# KiCad board oresat-acs-card.kicad_pcb (continued)
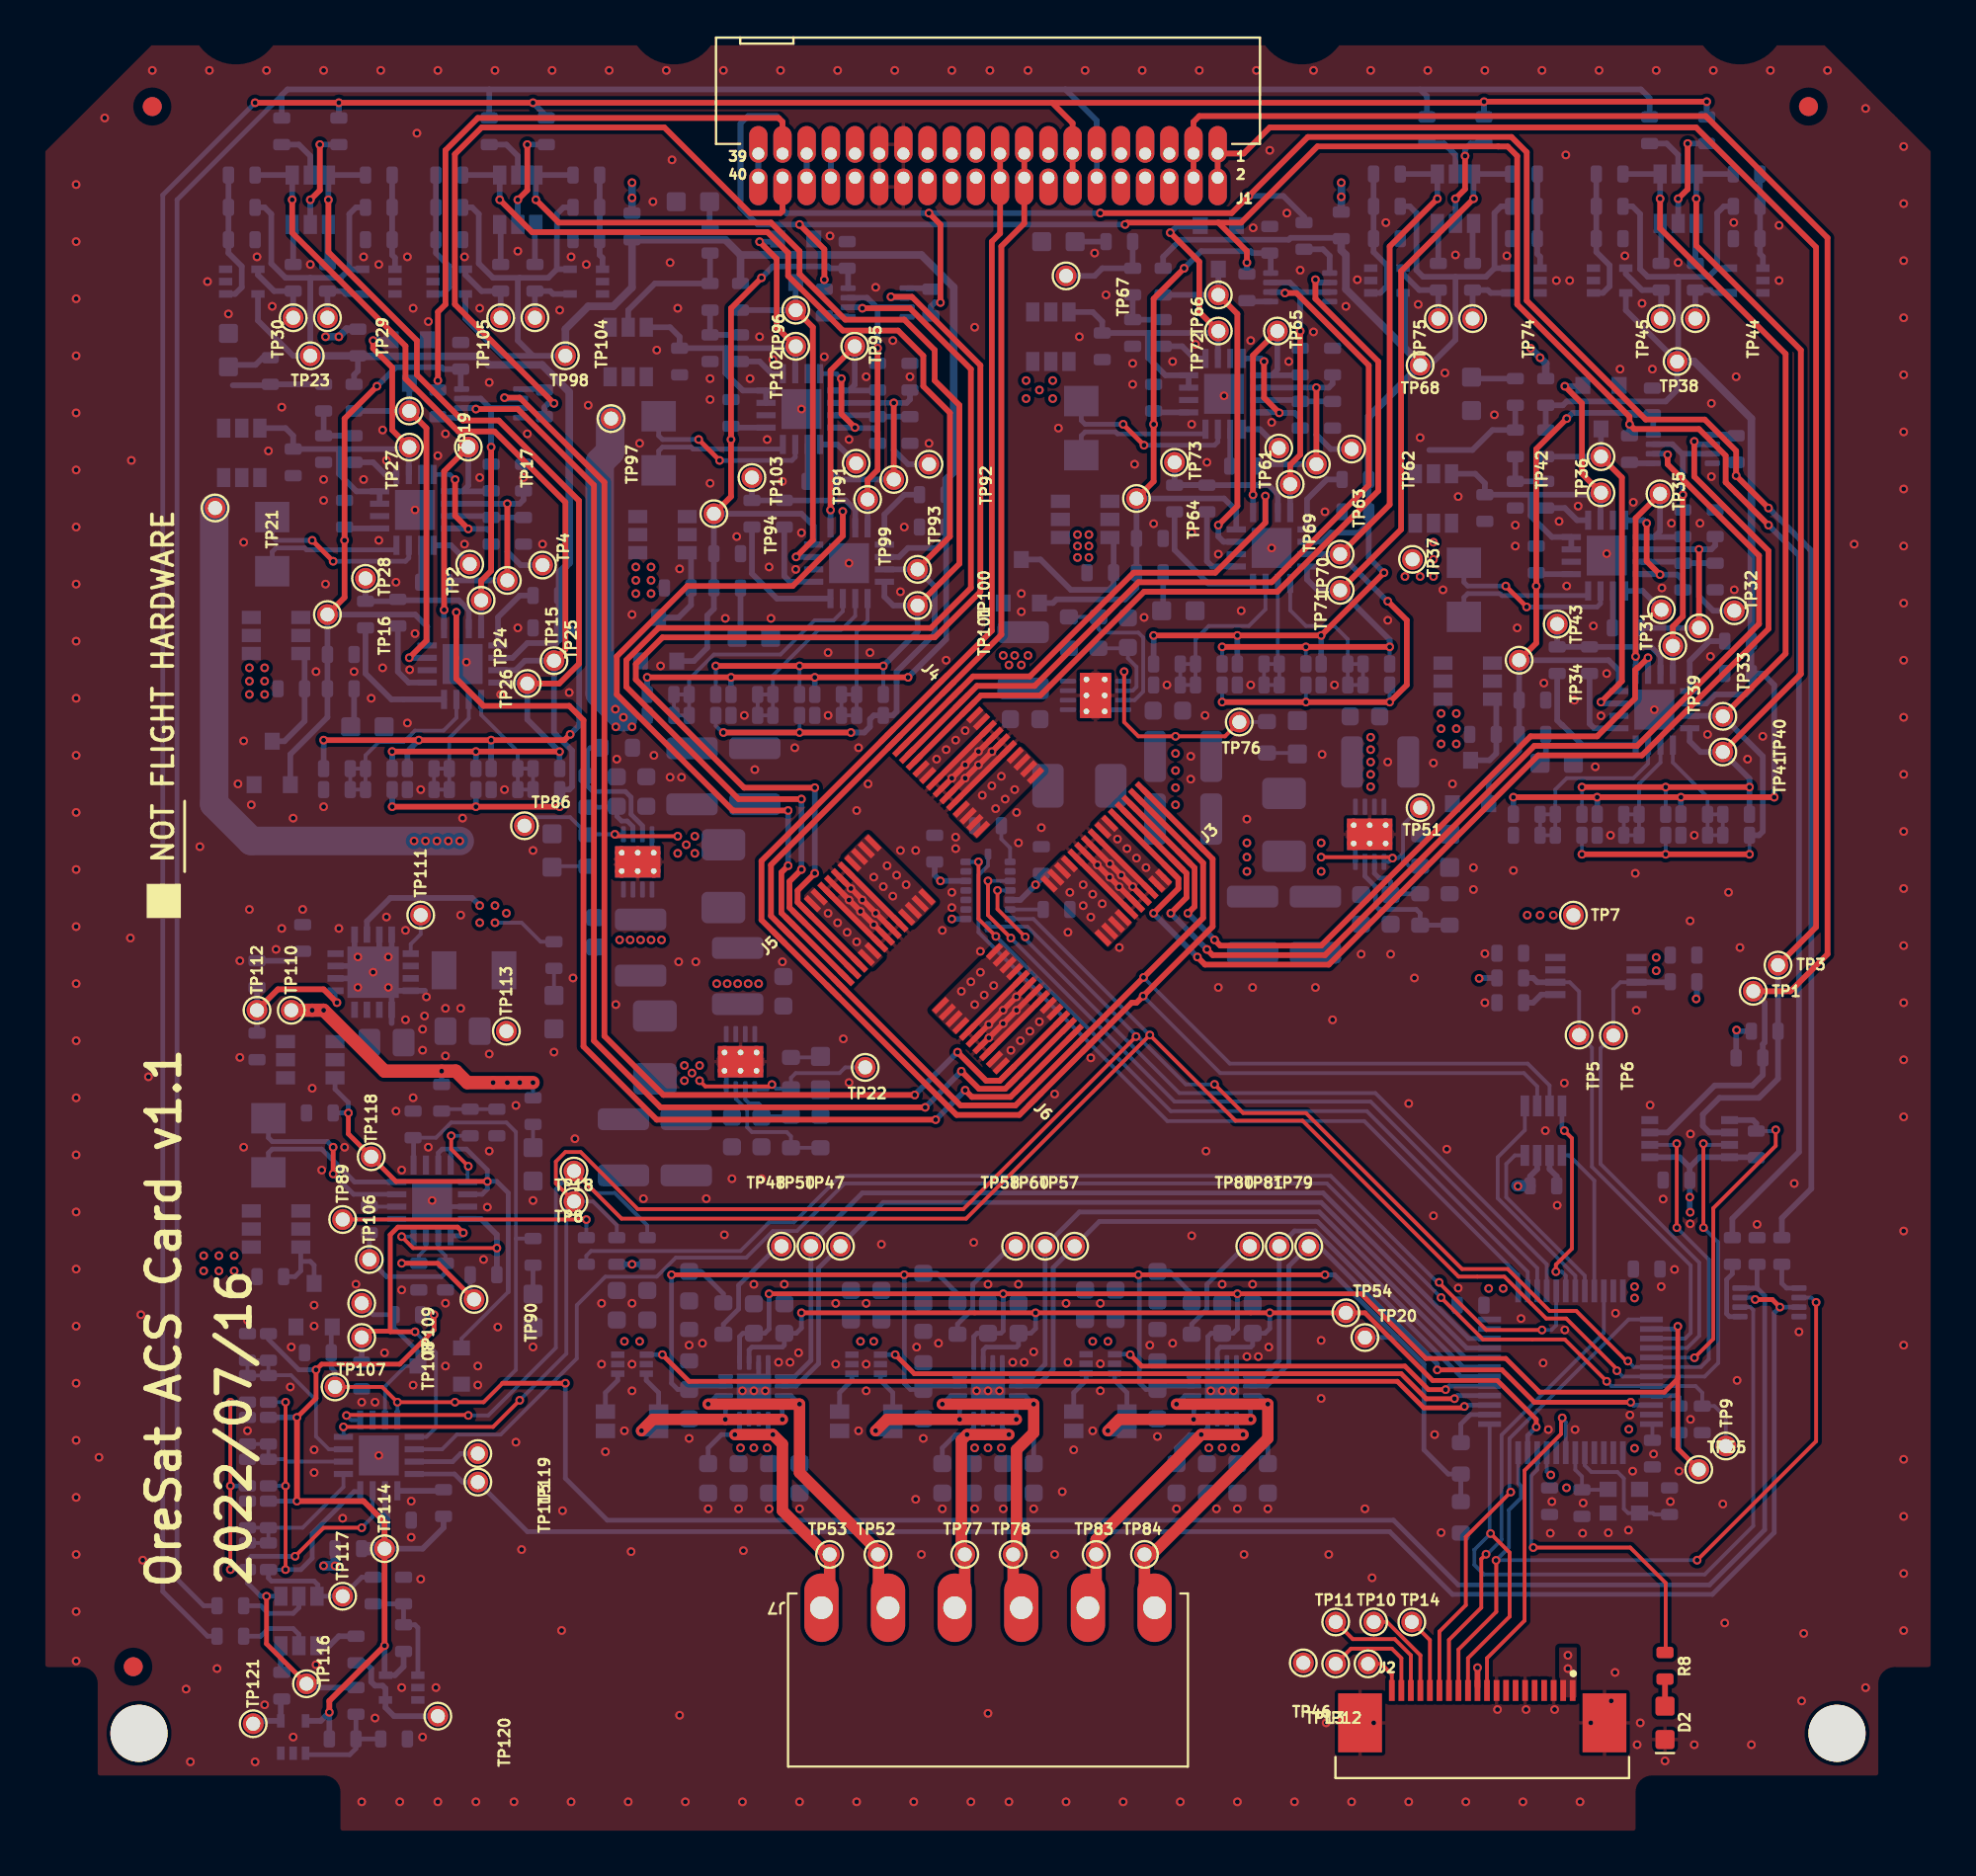
[diagram p0: board, top side]
## Routing (per net, layer and track width the routed paths; a pad name or vN(x,y) marks a point on that pad's centre or on a via; arc(x,y) is an arc through that point) (continued)
Net-(D8-PadA): length 1.9
  Bottom w0.2: D8.A 27.05,51.08 28.85,51.08
Net-(D9-PadA): length 1.6
  Bottom w0.3: D9.A R153.1
Net-(D10-PadA): length 2
  Bottom w0.3: R181.1 59.1,64.58 D10.A
Net-(D11-PadA): length 1.6
  Bottom w0.2: 39.55,41.03 41.05,41.03 D11.A
Net-(D13-PadA): length 1.3
  Bottom w0.3: D13.A 35.28,84.72 R229.1
Net-(D14-PadA): length 2.7
  Bottom w0.3: R257.1 36.9,63.28 36.72,63.1
Net-(D16-PadA): length 1.2
  Bottom w0.2: D16.A R198.1
Net-(D17-PadA): length 1.4
  Bottom w0.2: R199.1 D17.A
Net-(D18-PadA): length 1.5
  Bottom w0.25: R267.1 D18.A
Net-(Q6-Pad4): length 9.5
  Top w0.25: v1(14.4,68.2) v1(15.5,67.1)
  Bottom w0.25: U6.15 19.48,67.28 19.3,67.1 v1(15.5,67.1) ; v1(14.4,68.2) 12.5,68.2 12.3,68.4 R57.2
Net-(Q7-Pad1): length 7.9
  Bottom w0.25: R57.1 12.3,67.6 12.5,67.8 14,67.8 14.1,67.7 18.78,67.7 18.83,67.74 18.83,67.94
Net-(Q7-Pad3): length 5.8
  Bottom w0.3: Q8.3 12.94,57.64 14,58.7 R55.1 14,62.05 Q7.3
Net-(Q10-Pad1): length 2.1
  Bottom w0.3: R68.2 15.2,84.75 Q10.1
Net-(Q10-Pad2): length 5.4
  Top w0.3: v1(14.3,86.1) 14.8,86.6 v1(14.8,89)
  Bottom w0.3: Q10.2 v1(14.3,86.1) ; R73.2 v1(14.8,89)
Net-(Q10-Pad3): length 2.1
  Bottom w0.3: R74.2 13.4,84.75 Q10.3
Net-(Q10-Pad5): length 2.7
  Bottom w0.3: Q10.5 14.3,88.4 13.7,89 R53.2
Net-(Q11-Pad4): length 9.5
  Top w0.25: v1(78.19,64.7) 77.1,65.79 v1(77.1,65.8)
  Bottom w0.25: R95.2 74.9,66 75.1,65.8 v1(77.1,65.8) ; U10.15 82.08,64.88 81.9,64.7 v1(78.19,64.7)
Net-(Q12-Pad1): length 7.9
  Bottom w0.25: U10.16 81.43,65.34 81.38,65.3 76.9,65.3 76.8,65.4 75.1,65.4 74.9,65.2 R95.1
Net-(Q12-Pad3): length 4.4
  Bottom w0.3: Q13.3 76.24,56.64 76.6,57 R93.1 76.6,59.65 Q12.3
Net-(Q15-Pad1): length 2.1
  Bottom w0.3: Q15.1 87.06,84.81 R106.2
Net-(Q15-Pad2): length 5.4
  Top w0.3: v1(86.16,86.16) 86.66,86.66 v1(86.66,89.06)
  Bottom w0.3: Q15.2 v1(86.16,86.16) ; v1(86.66,89.06) 87.66,89.06
Net-(Q15-Pad3): length 2.1
  Bottom w0.3: Q15.3 85.25,84.81 R112.2
Net-(Q15-Pad5): length 2.7
  Bottom w0.3: Q15.5 86.16,88.46 85.56,89.06 84.66,89.06
Net-(Q21-Pad4): length 9.5
  Top w0.25: v1(58.09,73.2) 57,74.29 v1(57,74.3)
  Bottom w0.25: U18.15 61.97,73.38 61.8,73.2 v1(58.09,73.2) ; R171.2 54.8,74.5 55,74.3 v1(57,74.3)
Net-(Q22-Pad1): length 7.9
  Bottom w0.25: R171.1 54.8,73.7 55,73.9 56.6,73.9 56.7,73.8 61.28,73.8 61.33,73.84 U18.16
Net-(Q22-Pad3): length 8.2
  Bottom w0.3: Q22.3 56.5,68.15 R169.1 56.5,65.85 56.25,65.6 54.25,65.6 52.66,67.19 Q23.3
Net-(Q25-Pad1): length 2.1
  Bottom w0.3: Q25.1 75.36,84.81 R182.2
Net-(Q25-Pad2): length 5.2
  Top w0.3: v1(74.96,88.4) 74.96,86.66 v1(74.46,86.16)
  Bottom w0.3: Q25.2 v1(74.46,86.16) ; v1(74.96,88.4) 74.96,88.76 75.25,89.06 75.96,89.06
Net-(Q25-Pad3): length 2.1
  Bottom w0.3: R188.2 73.56,84.81 73.5,84.86
Net-(Q25-Pad5): length 2.7
  Bottom w0.3: Q25.5 74.46,88.46 73.86,89.06 72.96,89.06
Net-(Q26-Pad4): length 9.8
  Top w0.25: v1(15.5,34.9) v1(15.5,36.3)
  Bottom w0.25: v1(15.5,36.3) 15.2,36.6 12.3,36.6 12.1,36.8 R217.2 ; U30.15 16.58,33.83 v1(15.5,34.9)
Net-(Q27-Pad1): length 8.6
  Bottom w0.25: U30.16 16.62,34.48 14.9,36.2 12.3,36.2 12.1,36 R217.1
Net-(Q27-Pad3): length 4
  Bottom w0.25: 13.8,30.3 14.3,30.3 14.5,30.1 Q28.3 ; 13.8,30.3 Q27.3 ; 13.8,30.3 13.8,29.8 13.5,29.5 R215.1
Net-(Q30-Pad1): length 2.3
  Bottom w0.3: R268.2 15.8,10.6 15.3,10.1 Q30.1
Net-(Q30-Pad2): length 3.8
  Bottom w0.25: R271.2 11.7,10.6 12.1,11 13.4,11 13.7,10.7 Q30.2
Net-(Q30-Pad3): length 1.4
  Bottom w0.3: R272.2 12.75,8.75 Q30.3
Net-(Q30-Pad5): length 3.8
  Bottom w0.25: Q30.5 13.7,12.1 13.4,11.8 12.1,11.8 11.7,12.2 R213.2
Net-(Q31-Pad4): length 9.5
  Top w0.25: v1(35.8,72.4) v1(34.7,73.5)
  Bottom w0.25: v1(34.7,73.5) 32.8,73.5 32.6,73.7 R247.2 ; v1(35.8,72.4) 39.6,72.4 39.78,72.58 U26.15
Net-(Q32-Pad1): length 7.9
  Bottom w0.25: R247.1 32.6,72.9 32.8,73.1 34.3,73.1 34.4,73 39.08,73 39.12,73.04 U26.16
Net-(Q32-Pad3): length 4.8
  Bottom w0.3: Q32.3 34.3,67.35 R245.1 34.3,64.8 33.64,64.14 Q33.3
Net-(Q35-Pad1): length 2.1
  Bottom w0.3: Q35.1 26.1,84.75 R258.2
Net-(Q35-Pad2): length 5.4
  Top w0.3: v1(25.2,86.1) 25.7,86.6 v1(25.7,89)
  Bottom w0.3: Q35.2 v1(25.2,86.1) ; R263.2 v1(25.7,89)
Net-(Q35-Pad3): length 2.1
  Bottom w0.3: R264.2 24.3,84.75 Q35.3
Net-(Q35-Pad5): length 2.7
  Bottom w0.3: R243.2 24.6,89 25.2,88.4 Q35.5
Net-(R2-Pad2): length 1.8
  Bottom w0.3: R2.2 78.54,43.9 78.96,44.33 U1.5
Net-(R4-Pad2): length 1.7
  Bottom w0.2: U13.10 R4.2
Net-(R5-Pad2): length 2.1
  Bottom w0.2: U13.15 51.06,52.04 50.6,52.5 R5.2
Net-(R14-Pad1): length 7.2
  Bottom w0.25: U24.7 69.7,50.55 70.25,50 70.25,49 70.45,48.8 72.4,48.8 72.6,48.6 R14.1 R19.1
Net-(R15-Pad2): length 2.3
  Bottom w0.25: U4.4 30.45,24.05 29.8,23.4 29.8,22.41
Net-(R15-Pad3): length 2.3
  Bottom w0.25: U4.3 31.95,24.05 32.6,23.4 R15.3
Net-(R15-Pad4): length 10.1
  Top w0.6: v1(39.1,22) v1(36.1,22) 32.3,22 v1(31.7,21.4)
  Bottom w0.25: U3.9 36.11,22.01 v1(36.1,22) ; U3.4 39.09,22.01 v1(39.1,22)
  Bottom w0.6: R15.4 32.59,21.4 v1(31.7,21.4)
Net-(R16-Pad2): length 2.3
  Bottom w0.25: R16.2 42.1,23.4 42.75,24.05 U21.4
Net-(R16-Pad3): length 2.3
  Bottom w0.25: U21.3 44.25,24.05 44.9,23.4 R16.3
Net-(R16-Pad4): length 10
  Top w0.6: v1(51.39,22) v1(48.41,22) 44.6,22 v1(44,21.4)
  Bottom w0.25: U16.9 v1(48.41,22) ; U16.4 v1(51.39,22)
  Bottom w0.6: v1(44,21.4) 44.89,21.4 R16.4
Net-(R17-Pad1): length 6
  Bottom w0.25: TP48.1 38.85,31.1 36.8,29.05 36.8,27.8 36,27 R17.1
Net-(R23-Pad1): length 6
  Bottom w0.25: R23.1 48.3,27.01 49.1,27.81 49.1,29.1 51.1,31.1 TP58.1
Net-(R25-Pad2): length 2.3
  Bottom w0.25: R25.2 54.4,23.4 55.05,24.05 U23.4
Net-(R25-Pad3): length 2.3
  Bottom w0.25: R25.3 57.2,23.4 56.55,24.05 U23.3
Net-(R25-Pad4): length 10.3
  Top w0.6: v1(56.2,21.4) 56.8,22 v1(60.7,22) v1(63.7,22)
  Bottom w0.25: v1(63.7,22) 63.69,22.01 U22.4 ; U22.9 60.71,22.01 v1(60.7,22)
  Bottom w0.6: v1(56.2,21.4) 57.19,21.4 R25.4
Net-(R27-Pad2): length 8.8
  Bottom w0.2: U34.7 57.6,59.8 58.05,60.25 58.05,63.1 57.8,63.35 55.9,63.35 55.7,63.55 R27.2 R28.1
Net-(R29-Pad1): length 6
  Bottom w0.25: R29.1 60.6,27 61.4,27.8 61.4,29.1 63.4,31.1 TP80.1
Net-(R32-Pad2): length 7.4
  Bottom w0.25: U35.7 31.75,53.2 31.15,53.8 31.15,54.7 30.85,55 29.15,55 28.85,55.3 R32.2 28.85,57.15 29,57.3 R33.1
Net-(R35-Pad2): length 6.9
  Bottom w0.2: R36.1 R35.2 39.55,36.88 39.33,37.1 37.5,37.1 37.25,37.35 37.25,38.25 36.65,38.85 U36.7
Net-(R38-Pad2): length 1.3
  Bottom w0.3: R38.2 46.85,81.45 U37.1
Net-(R54-Pad1): length 3.8
  Bottom w0.3: U5.13 24.16,64.16 25.3,65.3 R54.1
Net-(R59-Pad1): length 11.6
  Top w0.3: v1(24.65,70.13) TP15.1
  Bottom w0.3: U6.10 v1(24.65,70.13) 25.3,70.13 25.5,70.33 R60.2 ; TP15.1 21.59,66.1 R59.1
Net-(R59-Pad2): length 2
  Bottom w0.3: R59.2 20.12,66.03 20.12,67.94
Net-(R61-Pad1): length 7.8
  Bottom w0.3: 24.65,69.4 R62.2 ; 24.65,69.4 R61.1 23.73,69.48 U6.11 ; 24.65,69.4 24.65,67.6 25.35,66.9 TP4.1
Net-(R61-Pad2): length 7
  Top w0.3: v1(22.6,68.8) 21.91,69.49 v1(21.91,71.39)
  Bottom w0.25: v1(21.91,71.39) 21.64,71.66 U6.8
  Bottom w0.3: R61.2 23.8,68.6 23.6,68.8 v1(22.6,68.8) 22.58,68.83 U6.12
Net-(R65-Pad1): length 2.5
  Bottom w0.3: R65.1 17.6,72.3 18.24,71.66 18.83,71.66
Net-(R68-Pad1): length 3.3
  Bottom w0.3: U8.4 16.15,81.15 16,81.3 R68.1 TP29.1
Net-(R69-Pad1): length 7.9
  Bottom w0.3: 22.62,63.56 22.62,64.53 22.1,65.05 18.95,65.05 R69.1 18.8,65 R70.1 TP28.1
Net-(R74-Pad1): length 3.9
  Bottom w0.3: U7.4 11.55,82.15 12.4,81.3 R74.1 TP30.1
Net-(R92-Pad1): length 3.9
  Bottom w0.3: R92.1 87.8,62.9 86.76,61.86 U9.13
Net-(R97-Pad1): length 11.7
  Top w0.3: TP33.1 v1(87.25,67.73)
  Bottom w0.3: R98.2 88.1,67.93 87.9,67.73 v1(87.25,67.73) U10.10 ; TP33.1 R97.1
Net-(R97-Pad2): length 2
  Bottom w0.3: U10.14 82.72,63.63 R97.2
Net-(R99-Pad2): length 7
  Top w0.3: v1(85.2,66.4) 84.5,67.1 v1(84.5,69.1)
  Bottom w0.3: U10.8 84.34,69.26 v1(84.5,69.1) ; R99.2 86.4,66.1 86.1,66.4 v1(85.2,66.4) 85.18,66.43 U10.12
Net-(R100-Pad2): length 7.8
  Bottom w0.3: 84.26,67.08 86.33,67.08 R99.1 87.25,67 ; TP32.1 88,64.5 87.25,65.25 87.25,67 ; 87.25,67 R100.2
Net-(R103-Pad1): length 2.5
  Bottom w0.3: U10.5 80.84,69.26 80.2,69.9 R103.1
Net-(R106-Pad1): length 3.4
  Bottom w0.3: TP44.1 87.06,81.36 87.86,81.36 88,81.21 U12.4
Net-(R107-Pad1): length 7.8
  Bottom w0.3: TP43.1 R108.1 R107.1 84.73,62.6 85.22,62.11 U9.11
Net-(R112-Pad1): length 4
  Bottom w0.3: TP45.1 85.25,81.36 84.25,81.36 83.41,82.21 83.41,82.51
Net-(R115-Pad2): length 1.3
  Bottom w0.3: R115.2 41.35,79.95 U37.5
Net-(R116-Pad2): length 1.3
  Bottom w0.3: U38.1 89.15,73.75 R116.2
Net-(R117-Pad2): length 1.3
  Bottom w0.3: R117.2 83.65,72.25 U38.5
Net-(R118-Pad2): length 2.4
  Bottom w0.3: U39.1 67.85,83.15 67.5,83.5 R118.2
Net-(R119-Pad2): length 1.3
  Bottom w0.3: R119.2 63.55,80.75 U39.5
Net-(R120-Pad2): length 1.3
  Bottom w0.3: U40.1 26.55,76.15 R120.2
Net-(R121-Pad2): length 1.3
  Bottom w0.3: U40.5 21.05,74.65 R121.2
Net-(R122-Pad2): length 2
  Bottom w0.25: U41.1 91.85,28.9 91.6,29.15 R122.2
Net-(R123-Pad2): length 3.5
  Bottom w0.25: R123.2 89,29.65 88.7,29.35 88.7,27.55 88.85,27.4 U41.5
Net-(R168-Pad1): length 3.9
  Bottom w0.3: U17.13 66.66,70.36 67.7,71.4 R168.1
Net-(R173-Pad1): length 11.6
  Top w0.3: TP63.1 v1(67.15,76.23)
  Bottom w0.3: U18.10 v1(67.15,76.23) 67.8,76.23 68,76.43 R174.2 ; TP63.1 64.1,72.2 R173.1
Net-(R173-Pad2): length 2
  Bottom w0.3: U18.14 62.62,72.13 R173.2
Net-(R175-Pad1): length 7.8
  Bottom w0.3: 64.16,75.58 66.22,75.58 R175.1 67.15,75.5 ; R176.2 67.15,75.5 ; 67.15,75.5 67.15,73.75 67.9,73 TP62.1
Net-(R175-Pad2): length 7
  Top w0.3: v1(65.2,74.9) 64.4,75.7 v1(64.4,77.6)
  Bottom w0.3: U18.12 65.18,74.93 v1(65.2,74.9) 66,74.9 66.3,74.6 R175.2 ; U18.8 64.24,77.76 v1(64.4,77.6)
Net-(R179-Pad1): length 2.5
  Bottom w0.3: R179.1 60.1,78.4 60.74,77.76 U18.5
Net-(R182-Pad1): length 3.4
  Bottom w0.3: U20.4 76.31,81.21 76.16,81.36 75.36,81.36 TP74.1
Net-(R183-Pad1): length 9.5
  Bottom w0.3: U17.11 65.12,70.62 64.64,71.1 R184.1 ; R183.1 R184.1 ; R184.1 TP73.1
Net-(R188-Pad1): length 4
  Bottom w0.3: 71.71,82.51 71.71,82.21 72.56,81.36 73.56,81.36 TP75.1
Net-(R214-Pad1): length 2.4
  Bottom w0.3: R214.1 21.24,18.24 U29.13
Net-(R219-Pad1): length 8
  Bottom w0.2: U30.10 21.03,30.98 21.4,30.6 R220.2
  Bottom w0.25: R219.1 TP106.1 18.3,29.5 21.2,29.5 21.4,29.7 R220.2
Net-(R219-Pad2): length 1.5
  Bottom w0.2: R219.2 17.41,33.18 U30.14
Net-(R221-Pad1): length 8.5
  Top w0.25: TP90.1 21,30.2 v1(19.1,30.2)
  Bottom w0.2: R222.2 20,30.6 20.38,30.98 U30.11
  Bottom w0.25: R221.1 22.7,28.5 TP90.1 ; R222.2 v1(19.1,30.2)
Net-(R221-Pad2): length 9.9
  Top w0.2: v1(19.1,31.6) 19.7,31 v1(24.1,31)
  Bottom w0.2: U30.12 19.73,31.6 v1(19.1,31.6)
  Bottom w0.3: R221.2 v1(24.1,31) 24.1,31.7 23.28,32.53 U30.8
Net-(R225-Pad1): length 3.8
  Top w0.2: v1(21.7,36.9) 21.7,36.2 v1(22.6,35.3)
  Bottom w0.2: v1(21.7,36.9) R225.1 ; U30.5 22.56,35.26 v1(22.6,35.3)
Net-(R227-Pad1): length 8
  Top w0.3: TP112.1 12.6,44.6 15,44.6 v1(15.7,43.9)
  Bottom w0.2: v1(15.7,43.9) 15.62,43.98 15.62,44.53
  Bottom w0.3: R228.2 TP112.1 R227.1
Net-(R244-Pad1): length 3.9
  Bottom w0.3: R244.1 45.5,70.6 44.46,69.56 U25.13
Net-(R249-Pad1): length 11.6
  Top w0.3: TP93.1 v1(44.95,75.43)
  Bottom w0.3: U26.10 v1(44.95,75.43) 45.62,75.43 45.8,75.6 R250.2 ; R249.1 41.9,71.4 TP93.1
Net-(R249-Pad2): length 2
  Bottom w0.3: R249.2 40.43,71.33 U26.14
Net-(R251-Pad1): length 7.8
  Bottom w0.3: TP92.1 45.7,72.2 44.95,72.95 44.95,74.7 ; R252.2 44.95,74.7 ; 44.95,74.7 R251.1 44.03,74.78 U26.11
Net-(R251-Pad2): length 6.9
  Top w0.3: v1(42.2,76.7) 42.2,74.84 v1(42.91,74.13)
  Bottom w0.25: 41.08,76.96 41.94,76.96 v1(42.2,76.7)
  Bottom w0.3: U26.12 42.91,74.13 v1(42.91,74.13) 42.94,74.1 43.89,74.1 44.1,73.89 R251.2
Net-(R255-Pad1): length 2.5
  Bottom w0.3: R255.1 37.9,77.6 38.54,76.96 U26.5
Net-(R258-Pad1): length 3.3
  Bottom w0.3: U28.4 27.05,81.15 26.9,81.3 R258.1 TP104.1
Net-(R259-Pad1): length 7.8
  Bottom w0.3: U25.11 42.93,69.81 42.43,70.3 R259.1 R260.1 TP103.1
Net-(R264-Pad1): length 3.9
  Bottom w0.3: U27.4 22.45,82.15 23.3,81.3 R264.1 TP105.1
Net-(R268-Pad1): length 6.5
  Bottom w0.3: TP120.1 18.7,6.4 18.25,6.85 U33.4 18.25,7.85 18.1,8 17.7,8 17.5,8.2 17.5,8.9 17.2,9.2 R268.1
Net-(R272-Pad1): length 2.7
  Bottom w0.3: TP121.1 11.45,6.15 U32.4 12.75,7.25 R272.1
Net-(TP10-Pad1): length 4.8
  Top w0.2: TP10.1 70.86,11.35 72.61,9.6 72.61,7.95
Net-(TP11-Pad1): length 6.3
  Top w0.2: TP11.1 69.06,10.45 71.26,10.45 72.11,9.6 72.11,7.95
Net-(TP12-Pad1): length 5.5
  Top w0.2: TP12.1 68.96,9.95 71.11,9.95 71.61,9.45 71.61,7.95
Net-(TP13-Pad1): length 2.1
  Top w0.2: 71.11,7.95 71.11,8.6 70.56,9.15 TP13.1
Net-(TP14-Pad1): length 3.8
  Top w0.2: 73.11,7.95 73.11,10.4 TP14.1
Net-(TP24-Pad1): length 15.1
  Top w0.3: TP24.1 23.28,66.08 23.8,66.6 23.8,70.8 v1(23.8,73.1)
  Bottom w0.3: U40.7 23.25,75.65 23.8,75.1 ; U5.12 TP24.1 ; 23.8,75.1 23.85,75.15 U40.3 ; 23.8,75.1 v1(23.8,73.1)
Net-(TP39-Pad1): length 15.1
  Top w0.3: TP39.1 85.88,63.68 86.4,64.2 v1(86.4,70.6)
  Bottom w0.3: v1(86.4,70.6) 86.4,72.7 ; 86.4,72.7 86.45,72.75 U38.3 ; 86.4,72.7 85.85,73.25 U38.7 ; U9.12 TP39.1
Net-(TP69-Pad1): length 15.1
  Top w0.3: TP69.1 65.78,72.18 66.3,72.7 v1(66.3,79.2)
  Bottom w0.3: U17.12 TP69.1 ; 66.3,81.2 66.35,81.25 U39.3 ; 66.3,81.2 65.75,81.75 U39.7 ; 66.3,81.2 v1(66.3,79.2)
Net-(TP99-Pad1): length 15.1
  Top w0.3: v1(44.1,78.3) 44.1,71.9 43.58,71.38 TP99.1
  Bottom w0.3: 44.1,80.4 43.55,80.95 U37.7 ; 44.1,80.4 v1(44.1,78.3) ; 44.1,80.4 44.15,80.45 U37.3 ; 43.58,68.86 TP99.1
Net-(TP111-Pad1): length 2.2
  Bottom w0.2: TP111.1 20.1,47.5 19.58,46.98 U31.13
Net-(TP115-Pad1): length 90.7
  Top w0.25: v1(90.2,28.3) 91.1,28.3 v1(91.5,27.9)
  Bottom w0.2: v1(90.2,28.3) 90.1,28.4 U41.7
  Bottom w0.25: U41.3 v1(91.5,27.9) 91.2,27.6 91.2,16.05 87.95,12.8 74.3,12.8 71,16.1 25.7,16.1 TP115.1 22.3,18.7 21.88,19.13 U29.12
Net-(TP119-Pad1): length 3.5
  Bottom w0.25: U29.11 21.78,19.78 22.2,20.2 TP119.1

## Copper pours and planes (outline as drawn; the poured copper is in the pictures)
3.3V on Bottom: 86.09,45.35 83.39,45.35 83.39,46.95 86.09,46.95
3.3V on Bottom: 84.16,28.04 83.04,28.04 83.04,30.46 84.16,30.46
3.3V on Bottom: 29.8,27.8 32.6,27.8 32.6,25.8 31.2,25.8 31.2,25.2 29.8,25.2
3.3V on Bottom: 54.4,27.8 57.2,27.8 57.2,25.8 55.8,25.8 55.8,25.2 54.4,25.2
3.3V on Bottom: 85.36,20.54 84.43,20.54 83.86,19.97 83.86,19.74 83.04,19.74 83.04,21.96 85.36,21.96
3.3V on Bottom: 77.26,27.37 76.93,27.04 75.54,27.04 75.54,29.16 77.26,29.16
3.3V on Bottom: 25.2,41.6 22.7,41.6 22.7,49.6 25.2,49.6
3.3V on Bottom: 42.1,27.8 44.9,27.8 44.9,25.8 43.5,25.8 43.5,25.2 42.1,25.2
3.3V on Bottom: 80.46,18.73 80.46,18.14 78.84,18.14 78.84,19.46 79.73,19.46
3.3V on In1.Cu: 93.76,8.73 75.04,8.73 75.04,23.33 26.84,23.33 26.84,40.4 22.85,40.4 22.85,49.6 29.7,49.6 29.7,44.64 71.95,44.6 71.95,49.5 93.76,49.5
5V_Q1 on Top: 59.6,50.2 59,49.6 55.4,53.2 56,53.8
5V_Q1 on Bottom: 68.1,50.3 70.05,50.3 70.05,48.85 62.2,48.85 62.2,50.3 62.8,50.3 62.8,52.6 68.1,52.6
5V_Q1 on In1.Cu: 59.3,50.5 60.4,50.5 62.5,52.6 68,52.6 68,49.6 59,49.6 56.2,52.4 56.8,53
5V_Q2 on Top: 50,58.9 46.5,55.4 45.9,56 49.4,59.5
5V_Q2 on Bottom: 60.15,52.05 57.95,52.05 57.95,53.9 55.35,53.9 55.35,56.5 57.95,56.5 57.95,59.8 59.1,59.8 59.1,58.45 60.15,58.45
5V_Q2 on In1.Cu: 51.55,58.35 60.15,58.35 60.15,53.9 59.35,53.9 59.35,54.45 56.95,56.85 51.15,56.85 50.15,57.85 48.95,57.85 46.5,55.4 45.9,56 49.4,59.5 50.4,59.5
5V_Q3 on Top: 44.4,46.3 43.8,45.7 40.1,49.4 40.7,50
5V_Q3 on Bottom: 39.05,53.4 37.35,53.4 37.35,51.15 33.35,51.15 33.35,53.5 31.45,53.55 31.45,55.05 39.05,55.05
5V_Q3 on In1.Cu: 38.5,50 40.7,50 43.5,47.2 42.9,46.6 41.05,48.45 37.4,48.45 34.65,51.2 33.3,51.2 33.3,53 35.5,53
5V_Q4 on Top: 53.9,43.6 50.4,40.1 49.8,40.7 53.3,44.2
5V_Q4 on Bottom: 35.05,38.6 37,38.6 37,37.35 35.65,37.35 35.65,36.5 29.15,36.5 29.15,38.6 29.75,38.6 29.75,40.9 35.05,40.9
5V_Q4 on In1.Cu: 53.25,42.95 51.55,41.25 51.55,37.45 49.35,35.25 35.7,35.25 33.35,37.6 33.35,41 35.05,41 35.05,38.45 36.4,37.1 48.25,37.1 49.8,38.65 49.8,40.7 52.65,43.55
GND on Top: 99.86,-0.06 -0.06,-0.06 -0.06,94.66 99.86,94.66
GND on Bottom: 99.86,-0.06 -0.06,-0.06 -0.06,94.66 99.86,94.66
GND on In1.Cu: 99.86,-0.07 -0.06,-0.07 -0.06,94.66 99.86,94.66
GND on In2.Cu: 99.86,-0.07 -0.06,-0.07 -0.06,94.66 99.86,94.66
VBUS on Bottom: 33.2,64.9 30.9,64.9 30.9,67.9 33.2,67.9
VBUS on Bottom: 12.95,59.6 10.6,59.6 10.6,62.63 12.95,62.63
VBUS on Bottom: 12.16,28.8 8,28.8 8,31.4 12.16,31.4
VBUS on Bottom: 55.61,66 54.3,66 54.3,67.6 53.14,67.6 53.14,68.7 55.61,68.7
VBUS on Bottom: 75.56,57.02 73.22,57.02 73.22,60.22 75.56,60.22
VBUS on In1.Cu: 48.5,85.2 49.8,85.2 49.8,82.1 65.1,82.1 76.2,71 76.2,57.03 72.95,57.03 72.95,59.55 10.75,59.55 10.74,28.83 3.94,28.83 3.94,78.96 45.04,78.96 45.04,85.2 46.24,85.2 46.24,89.96 48.46,89.96
VBUSP on Top: 80.83,7.39 79.9,7.39 79.9,10.01 80.83,10.01
VBUSP on Bottom: 60.9,20.7 62.3,20.7 62.3,22.4 62.6,22.4 62.6,20.7 63.5,20.7 63.5,19.1 60.9,19.1
VBUSP on Bottom: 36.3,20.7 37.7,20.7 37.7,22.4 38,22.4 38,20.7 38.9,20.7 38.9,19.1 36.3,19.1
VBUSP on Bottom: 48.6,20.7 50,20.7 50,22.4 50.3,22.4 50.3,20.7 51.2,20.7 51.2,19.1 48.6,19.1
VBUSP on Bottom: 16,43.9 18.1,43.9 18.1,41 16.2,41 16.2,40.6 12.4,40.6 12.4,47 16,47
VBUSP on In1.Cu: 18.4,41.3 22.75,41.3 22.75,40.15 26.45,40.15 26.45,22.3 61.4,22.3 75.4,8.3 79.4,8.3 79.4,10.3 81.4,10.3 81.4,5.3 64.4,5.3 53.4,16.3 20.45,16.3 20.45,36.3 17.4,36.3 12.4,41.3 12.4,44.3 15.4,44.3
VBUSP_Q1 on Top: 57.51,48.1 56.2,46.79 52.57,50.42 53.88,51.73
VBUSP_Q1 on Bottom: 56.54,49.05 55.25,47.76 53.56,49.45 54.85,50.74
VBUSP_Q1 on Bottom: 73.7,66.1 71.4,66.1 71.4,73.1 73.7,73.1
VBUSP_Q1 on Bottom: 69.65,58.05 70.35,58.05 70.35,53.75 69.55,53.75 69.55,54.95 68.35,54.95 68.35,59.5 69.65,59.5
VBUSP_Q1 on In1.Cu: 71.95,59.25 71.95,57.55 70.55,57.55 70.55,54.95 68.9,54.95 68.9,57.55 66.45,57.55 61.5,52.6 60.05,51.15 58.9,51.15 56.95,53.1 56.2,53.1 54.85,51.75 54.85,50.75 56.55,49.05 55.25,47.75 53.25,49.75 53.25,52.65 55.55,54.95 58.2,54.95 59.25,53.9 59.8,53.9 65.25,59.35
VBUSP_Q1 on In1.Cu: 73.7,66.1 71.4,66.1 71.4,68.4 73.7,68.4
VBUSP_Q2 on Top: 52.91,56.1 49.3,52.49 47.99,53.8 51.6,57.41
VBUSP_Q2 on Bottom: 53.3,60.45 54.55,60.45 54.55,59.65 53.3,59.65 53.3,58.2 52.15,58.2 52.15,59.65 50.4,59.65 50.4,62.4 53.3,62.4
VBUSP_Q2 on Bottom: 53.6,75.4 51.5,75.4 51.5,76.9 53.6,76.9
VBUSP_Q2 on Bottom: 54.8,81.2 53.6,81.2 53.6,75.4 51.55,75.4 51.55,83 54.8,83
VBUSP_Q2 on In1.Cu: 53.6,75.4 51.5,75.4 51.5,76.9 53.6,76.9
VBUSP_Q2 on In1.Cu: 50,62.6 52.4,62.6 52.4,61.3 50,61.3 50,60.2 45.5,55.9 46.4,55 49.3,55 50.65,56.35 51.85,55.15 50.5,53.8 45.8,53.8 44.3,55.3 44.3,56.5 48.4,60.6 48.4,67.6 50,67.6
VBUSP_Q3 on Top: 47.21,49.2 45.9,47.89 42.29,51.5 43.6,52.81
VBUSP_Q3 on Bottom: 31.9,49.1 33.15,49.1 33.15,46.8 30.05,46.8 30.05,47.7 28.65,47.7 28.65,49.1 31.1,49.1 31.1,50.3 31.9,50.3
VBUSP_Q3 on Bottom: 31.4,73.8 29.3,73.8 29.3,80.1 31.4,80.1
VBUSP_Q3 on Bottom, In1.Cu: 31.5,58.15 28.4,58.15 28.4,59.75 31.5,59.75
VBUSP_Q4 on Top: 51.81,45.8 48.2,42.19 46.89,43.5 50.5,47.11
VBUSP_Q4 on Bottom: 11.1,69 8.5,69 8.5,76.5 11.1,76.5
VBUSP_Q4 on Bottom: 38.35,44.35 39.7,44.35 39.7,43 37.3,43 37.3,41.8 36.5,41.8 36.5,43 35.35,43 35.35,45.3 38.35,45.3
VBUSP_Q4 on In1.Cu: 50.84,44.85 49.15,43.16 47.86,44.45 49.55,46.14
MAGNETOMETER_PWR on Bottom: 81.6,45.3 78.9,45.3 78.9,45.8 77.7,45.8 77.7,49.4 81.6,49.4
Net-(L1-Pad1) on Bottom: 68.1,54.65 69.35,54.65 69.35,53.75 68.1,53.75 68.1,53.25 64.2,53.25 64.2,56.1 68.1,56.1
Net-(L2-Pad1) on Bottom: 54.55,53.9 51.85,53.9 51.85,57.9 53.45,57.9 53.45,59.45 54.55,59.45
Net-(L3-Pad1) on Bottom: 21.65,45.05 19.15,45.05 19.15,45.95 21.65,45.95
Net-(L4-Pad1) on Bottom: 37.3,47.7 33.35,47.7 33.35,49.4 32.1,49.4 32.1,50.3 37.3,50.3
Net-(L5-Pad1) on Bottom: 35.05,42.7 36.3,42.7 36.3,41.8 35.05,41.8 35.05,41.4 30.7,41.4 30.7,44.1 35.05,44.1
Net-(Q6-Pad4) on Bottom: 14.1,68.6 11.3,68.6 11.3,72.1 14.1,72.1
Net-(Q7-Pad1) on Bottom: 14.33,62.83 10.6,62.83 10.6,67.4 14.33,67.4
Net-(Q11-Pad4) on Bottom: 76.5,66.2 73.9,66.2 73.9,69.7 76.5,69.7
Net-(Q12-Pad1) on Bottom: 77,60.45 73.2,60.45 73.2,65 77,65
Net-(Q21-Pad4) on Bottom: 56.4,74.7 53.8,74.7 53.8,78.2 56.4,78.2
Net-(Q22-Pad1) on Bottom: 56.9,68.9 53.1,68.9 53.1,73.5 56.9,73.5
Net-(Q26-Pad4) on Bottom: 14.5,37 10.7,37 10.7,40.4 14.5,40.4
Net-(Q27-Pad1) on Bottom: 14.4,31.6 10.7,31.6 10.7,35.8 14.4,35.8
Net-(Q31-Pad4) on Bottom: 34.2,73.9 31.6,73.9 31.6,77.4 34.2,77.4
Net-(Q32-Pad1) on Bottom: 34.7,68.1 30.9,68.1 30.9,72.7 34.7,72.7
Net-(R17-Pad1) on Bottom: 33.7,25.5 35.5,25.5 35.5,26.9 36.5,26.9 36.5,24.1 33.7,24.1
Net-(R23-Pad1) on Bottom: 46,25.5 47.8,25.5 47.8,26.9 48.8,26.9 48.8,24.1 46,24.1
Net-(R29-Pad1) on Bottom: 58.3,25.5 60.1,25.5 60.1,26.9 61.1,26.9 61.1,24.1 58.3,24.1

## Text on the board
B.Silkscreen: 2022/07/16 | OreSat ACS Card v1.1
User.Comments: Y- | X- | X+ | Y+ | Q3 | Q4 | Q1 | Q2
F.Silkscreen: OreSat ACS Card v1.1 | 2022/07/16
